# Altium PCB roach2.PcbDoc (part 15 of 39) (continued)
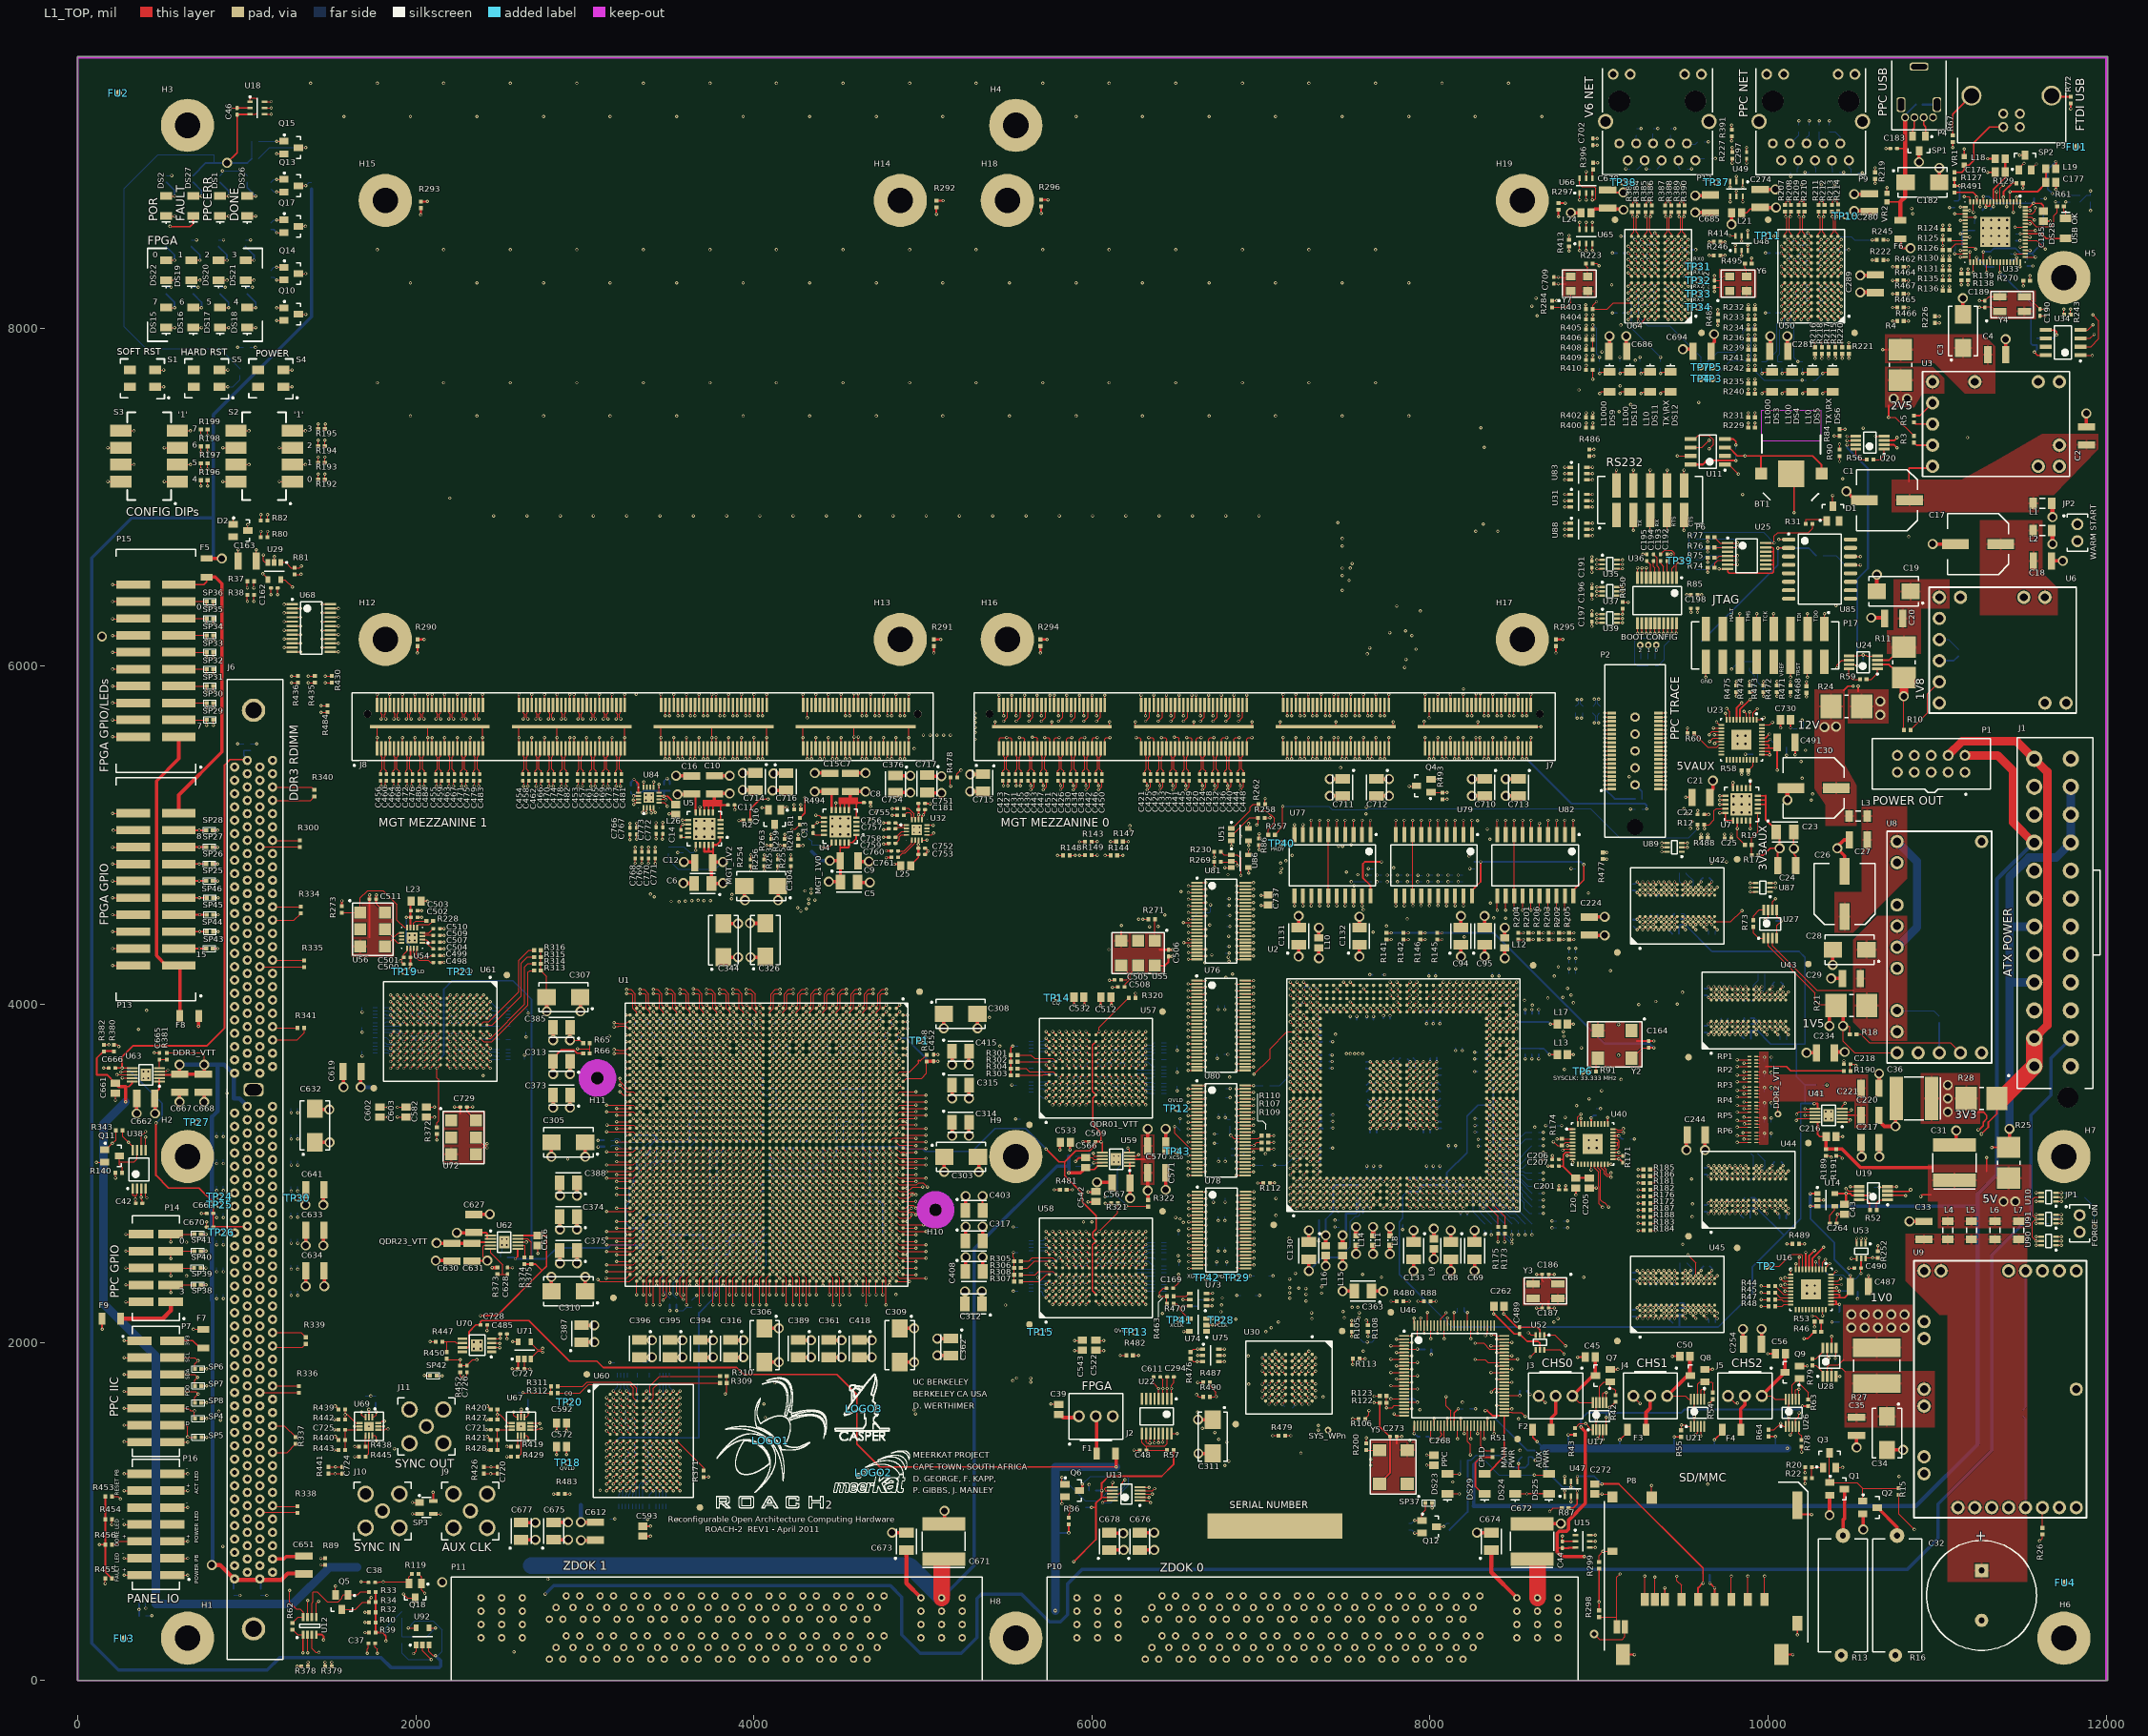
[diagram p0: L1_TOP view]
## Nets (pads, with @x,y where several pads share a name; then routed paths per layer and width w, separated by ;. In a path a pad name is that pad's centre, name@x,y a point inside that pad or via, vN(x,y) a via of type N, cw(c..) or ccw(c..) an arc to the next point about the centre after c; other vN are vias at no path point) (continued)
DDR3.DQS_N6: J6.102 U1.AT39 | length 3940.5
  L1_TOP w5: v1(3483.35,2459.09) U1.AT39@3503.04,2478.78
  L3_S w3.8: J6.102@928.19,1309.13 934.1,1315.04 1025.36,1315.04 1064.73,1354.41 1099.37,1354.41 1138.79,1314.99 1189.96,1314.99 1499.29,1624.32 1499.29,1632.81 1789.48,1922.99 2520.19,1922.99 ; v1(3483.35,2459.09) 3459.58,2435.32 3459.58,2402.38 3455,2397.8 3450.4,2397.8 3441.19,2388.59 3441.19,2303.19 3406.71,2268.71 3406.71,2247.03 3389.01,2229.34 3389.01,2216.41 3400.9,2204.52 3400.9,2188.99 3134.9,1922.99 2731.39,1922.99 ; 2520.19,1922.99 ccw(c2520.19,1927.89) 2525.09,1927.89 ; 2520.19,1922.99 ccw(c2520.19,1927.89) 2525.09,1927.89 ; 2525.09,1927.89 2525.09,1950.29 ; 2525.09,1950.29 cw(c2537.79,1950.29) 2550.49,1950.29 ; 2525.09,1950.29 cw(c2537.79,1950.29) 2550.49,1950.29 ; 2550.49,1927.89 ccw(c2555.39,1927.89) 2560.29,1927.89 ; 2550.49,1927.89 ccw(c2555.39,1927.89) 2560.29,1927.89 ; 2550.49,1927.89 2550.49,1950.29 ; 2560.29,1927.89 2560.29,1950.29 ; 2560.29,1950.29 cw(c2572.99,1950.29) 2585.69,1950.29 ; 2560.29,1950.29 cw(c2572.99,1950.29) 2585.69,1950.29 ; 2585.69,1927.89 ccw(c2590.59,1927.89) 2595.49,1927.89 ; 2585.69,1927.89 ccw(c2590.59,1927.89) 2595.49,1927.89 ; 2585.69,1927.89 2585.69,1950.29 ; 2595.49,1927.89 2595.49,1950.29 ; 2595.49,1950.29 cw(c2608.19,1950.29) 2620.89,1950.29 ; 2595.49,1950.29 cw(c2608.19,1950.29) 2620.89,1950.29 ; 2620.89,1927.89 ccw(c2625.79,1927.89) 2630.69,1927.89 ; 2620.89,1927.89 ccw(c2625.79,1927.89) 2630.69,1927.89 ; 2620.89,1927.89 2620.89,1950.29 ; 2630.69,1927.89 2630.69,1950.29 ; 2630.69,1950.29 cw(c2643.39,1950.29) 2656.09,1950.29 ; 2630.69,1950.29 cw(c2643.39,1950.29) 2656.09,1950.29 ; 2656.09,1927.89 ccw(c2660.99,1927.89) 2665.89,1927.89 ; 2656.09,1927.89 ccw(c2660.99,1927.89) 2665.89,1927.89 ; 2656.09,1927.89 2656.09,1950.29 ; 2665.89,1927.89 2665.89,1950.29 ; 2665.89,1950.29 cw(c2678.59,1950.29) 2691.29,1950.29 ; 2665.89,1950.29 cw(c2678.59,1950.29) 2691.29,1950.29 ; 2691.29,1927.89 ccw(c2696.19,1927.89) 2701.09,1927.89 ; 2691.29,1927.89 ccw(c2696.19,1927.89) 2701.09,1927.89 ; 2691.29,1927.89 2691.29,1950.29 ; 2701.09,1927.89 2701.09,1950.29 ; 2701.09,1950.29 cw(c2713.79,1950.29) 2726.49,1950.29 ; 2701.09,1950.29 cw(c2713.79,1950.29) 2726.49,1950.29 ; 2726.49,1927.89 ccw(c2731.39,1927.89) 2731.39,1922.99 ; 2726.49,1927.89 ccw(c2731.39,1927.89) 2731.39,1922.99 ; 2726.49,1927.89 2726.49,1950.29
DDR3.DQS_N7: J6.111 U1.AU41 | length 3878.3
  L1_TOP w5: v2(3443.98,2222.87) 3443.98,2380.35 U1.AU41@3463.67,2400.04
  L9_R w3.8: J6.111@1002.99,954.8 1002.99,952.99 976.99,926.99 970.99,926.99 962.99,934.99 962.99,966.99 988.28,992.28 1018.67,992.28 1058.04,952.91 1090.04,952.91 1129.76,913.19 1287.39,913.19 ; v2(3443.98,2222.87) 3428.2,2207.09 3428.2,2097.17 3352.22,2021.19 3237.19,2021.19 2753.19,1537.19 2609.19,1537.19 2478.99,1406.99 2478.99,1345.76 2434.42,1301.19 1807.19,1301.19 1419.19,913.19 1392.99,913.19 ; 1287.39,913.19 cw(c1287.39,908.29) 1292.29,908.29 ; 1287.39,913.19 cw(c1287.39,908.29) 1292.29,908.29 ; 1292.29,897.18 ccw(c1304.99,897.18) 1317.69,897.18 ; 1292.29,897.18 ccw(c1304.99,897.18) 1317.69,897.18 ; 1292.29,897.18 1292.29,908.29 ; 1317.69,897.18 1317.69,944.6 ; 1317.69,944.6 cw(c1322.59,944.6) 1327.49,944.6 ; 1317.69,944.6 cw(c1322.59,944.6) 1327.49,944.6 ; 1327.49,897.18 ccw(c1340.19,897.18) 1352.89,897.18 ; 1327.49,897.18 ccw(c1340.19,897.18) 1352.89,897.18 ; 1327.49,897.18 1327.49,944.6 ; 1352.89,897.18 1352.89,944.6 ; 1352.89,944.6 cw(c1357.79,944.6) 1362.69,944.6 ; 1352.89,944.6 cw(c1357.79,944.6) 1362.69,944.6 ; 1362.69,897.18 ccw(c1375.39,897.18) 1388.09,897.18 ; 1362.69,897.18 ccw(c1375.39,897.18) 1388.09,897.18 ; 1362.69,897.18 1362.69,944.6 ; 1388.09,897.18 1388.09,908.29 ; 1388.09,908.29 cw(c1392.99,908.29) 1392.99,913.19 ; 1388.09,908.29 cw(c1392.99,908.29) 1392.99,913.19
DDR3.DQS_N8: J6.42 U1.AN31 | length 3602.6
  L1_TOP w5: v1(3601.46,2774.05) U1.AN31@3621.15,2793.74
  L9_R w3.8: J6.42@928.19,3828.82 953.19,3803.81 953.19,3773.76 981.76,3745.19 1023.19,3745.19 1065.56,3787.56 1093.39,3787.56 1133.96,3746.99 1225.19,3746.99 1259.11,3713.07 cw(c1254.05,3708.01) 1259.11,3702.94 ccw(c1264.63,3697.42) 1259.11,3691.9 ccw(c1264.63,3697.42) 1270.15,3691.9 cw(c1275.22,3686.83) 1280.28,3691.9 1281.19,3690.99 cw(c1276.12,3685.93) 1281.19,3680.86 ccw(c1286.71,3675.34) 1281.19,3669.82 ccw(c1286.71,3675.34) 1292.23,3669.82 cw(c1297.29,3664.76) 1302.36,3669.82 1303.27,3668.92 cw(c1298.2,3663.85) 1303.27,3658.78 ccw(c1308.79,3653.27) 1303.27,3647.75 ccw(c1308.79,3653.27) 1314.31,3647.75 cw(c1319.37,3642.68) 1324.44,3647.75 1325.34,3646.84 cw(c1320.28,3641.77) 1325.34,3636.71 ccw(c1330.86,3631.19) 1325.34,3625.67 ccw(c1330.86,3631.19) 1336.38,3625.67 cw(c1341.45,3620.6) 1346.52,3625.67 1347.42,3624.76 cw(c1342.36,3619.7) 1347.42,3614.63 ccw(c1352.94,3609.11) 1347.42,3603.59 ccw(c1352.94,3609.11) 1358.46,3603.59 cw(c1363.53,3598.53) 1368.59,3603.59 1369.05,3603.14 1387.19,3584.99 1387.19,3368.79 1458.99,3296.99 1551.96,3296.99 2047.96,2800.99 2459.96,2800.99 2511.86,2749.09 2954.85,2749.09 2955.5,2748.45 3210.25,2748.45 3210.89,2749.09 3221.21,2738.77 3249.6,2738.77 3261.48,2750.65 3493.04,2750.65 3506.75,2764.36 3506.75,2819.52 3516.26,2829.02 3568.56,2829.02 3577.69,2819.89 3577.69,2804.1 3563.25,2789.65 3555.63,2789.65 3546.49,2780.52 3546.49,2767.59 3555.63,2758.45 3585.86,2758.45 v1(3601.46,2774.05)
DDR3.DQS_P0: J6.7 U1.AK27 | length 4750
  L1_TOP w5: v1(3719.57,2931.53) U1.AK27@3739.26,2951.22
  L3_S w3.8: J6.7@1002.99,5206.77 1005.01,5208.79 1102.22,5208.79 1141.72,5169.29 1217.72,5169.29 1662.99,4724.02 1662.99,3676.79 1848.99,3490.79 1909.19,3490.79 1979.6,3420.38 ccw(c1985.12,3425.9) 1990.64,3420.38 2006.34,3436.08 cw(c2011.86,3430.56) 2017.38,3436.08 cw(c2011.86,3430.56) 2017.38,3425.04 2001.68,3409.34 ccw(c2007.2,3403.82) 2001.68,3398.3 ccw(c2007.2,3403.82) 2012.72,3398.3 2028.42,3414 cw(c2033.94,3408.48) 2039.45,3414 cw(c2033.94,3408.48) 2039.45,3402.96 2023.76,3387.27 ccw(c2029.28,3381.75) 2023.76,3376.23 ccw(c2029.28,3381.75) 2034.8,3376.23 2050.49,3391.92 cw(c2056.01,3386.41) 2061.53,3391.92 cw(c2056.01,3386.41) 2061.53,3380.89 2045.83,3365.19 ccw(c2051.35,3359.67) 2045.83,3354.15 ccw(c2051.35,3359.67) 2056.87,3354.15 2072.57,3369.85 cw(c2078.09,3364.33) 2083.61,3369.85 cw(c2078.09,3364.33) 2083.61,3358.81 2067.91,3343.11 ccw(c2073.43,3337.59) 2067.91,3332.07 2108.49,3291.49 2167.19,3232.79 2248.99,3232.79 2267.2,3251 2405.03,3251 2423.24,3232.79 2424.99,3232.79 3075.19,3232.79 3108.99,3198.99 3108.99,3182.99 3159.88,3132.1 3219.88,3132.1 3278.94,3073.04 3611.16,3073.04 3624.86,3059.34 3624.86,3035.99 3626.99,3033.86 3730.86,3033.86 3743.71,3021.01 3743.71,3008.2 3774.54,2977.37 3774.54,2925.07 3765.41,2915.93 3752.48,2915.93 3736.88,2931.53 v1(3719.57,2931.53)
DDR3.DQS_P1: J6.16 U1.AU28 | length 4328
  L1_TOP w5: v1(3443.98,2892.16) U1.AU28@3463.67,2911.85
  L5_S w3.8: J6.16@928.19,4852.44 932.74,4856.99 972.99,4856.99 982.99,4846.99 1024.89,4846.99 1060.71,4811.18 1094.89,4811.18 1130.7,4846.99 1288.99,4846.99 1314.99,4820.99 1397.2,4738.78 cw(c1391.68,4733.26) 1397.2,4727.74 1394.37,4724.91 ccw(c1399.89,4719.39) 1394.37,4713.87 ccw(c1399.89,4719.39) 1405.41,4713.87 1408.24,4716.7 cw(c1413.76,4711.18) 1419.28,4716.7 cw(c1413.76,4711.18) 1419.28,4705.66 1416.45,4702.83 ccw(c1421.97,4697.32) 1416.45,4691.8 ccw(c1421.97,4697.32) 1427.49,4691.8 1430.32,4694.63 cw(c1435.84,4689.11) 1441.36,4694.63 cw(c1435.84,4689.11) 1441.36,4683.59 1438.53,4680.76 ccw(c1444.05,4675.24) 1438.53,4669.72 ccw(c1444.05,4675.24) 1449.57,4669.72 1452.4,4672.55 cw(c1457.92,4667.03) 1463.44,4672.55 1467.19,4668.79 1467.19,4436.19 ; v1(3443.98,2892.16) 3422.82,2871 3397,2871 3387,2881 3387,2895 3374.24,2907.76 3206.05,2907.76 3194.54,2896.25 3181.62,2896.25 3170.1,2907.76 2301.19,2907.76 1927.96,3280.99 1735.96,3280.99 1467.19,3549.76 1467.19,4383.39 ; 1448.79,4392.19 cw(c1453.19,4392.19) 1453.19,4396.59 ; 1448.79,4392.19 ccw(c1453.19,4392.19) 1453.19,4387.79 ; 1448.79,4392.19 ccw(c1453.19,4392.19) 1453.19,4387.79 ; 1448.79,4392.19 cw(c1453.19,4392.19) 1453.19,4396.59 ; 1448.79,4409.79 ccw(c1453.19,4409.79) 1453.19,4405.39 ; 1448.79,4409.79 cw(c1453.19,4409.79) 1453.19,4414.19 ; 1448.79,4409.79 ccw(c1453.19,4409.79) 1453.19,4405.39 ; 1448.79,4409.79 cw(c1453.19,4409.79) 1453.19,4414.19 ; 1448.79,4427.39 ccw(c1453.19,4427.39) 1453.19,4422.99 ; 1448.79,4427.39 cw(c1453.19,4427.39) 1453.19,4431.79 ; 1448.79,4427.39 ccw(c1453.19,4427.39) 1453.19,4422.99 ; 1448.79,4427.39 cw(c1453.19,4427.39) 1453.19,4431.79 ; 1453.19,4387.79 1462.79,4387.79 ; 1453.19,4396.59 1462.79,4396.59 ; 1453.19,4405.39 1462.79,4405.39 ; 1453.19,4414.19 1462.79,4414.19 ; 1453.19,4422.99 1462.79,4422.99 ; 1453.19,4431.79 1462.79,4431.79 ; 1462.79,4387.79 cw(c1462.79,4383.39) 1467.19,4383.39 ; 1462.79,4387.79 cw(c1462.79,4383.39) 1467.19,4383.39 ; 1462.79,4396.59 ccw(c1462.79,4400.99) 1467.19,4400.99 ; 1462.79,4396.59 ccw(c1462.79,4400.99) 1467.19,4400.99 ; 1462.79,4405.39 cw(c1462.79,4400.99) 1467.19,4400.99 ; 1462.79,4405.39 cw(c1462.79,4400.99) 1467.19,4400.99 ; 1462.79,4414.19 ccw(c1462.79,4418.59) 1467.19,4418.59 ; 1462.79,4414.19 ccw(c1462.79,4418.59) 1467.19,4418.59 ; 1462.79,4422.99 cw(c1462.79,4418.59) 1467.19,4418.59 ; 1462.79,4422.99 cw(c1462.79,4418.59) 1467.19,4418.59 ; 1462.79,4431.79 ccw(c1462.79,4436.19) 1467.19,4436.19 ; 1462.79,4431.79 ccw(c1462.79,4436.19) 1467.19,4436.19
DDR3.DQS_P2: J6.25 U1.AR27 | length 4060
  L1_TOP w5: v1(3522.72,2931.53) U1.AR27@3542.41,2951.22
  L3_S w3.8: J6.25@1002.99,4498.11 1002.99,4530.99 1007.59,4535.59 1021.36,4535.59 1036.54,4520.42 1060.71,4496.22 1098.22,4496.22 1134.99,4532.99 1217.96,4532.99 1397.19,4353.76 1397.19,3923 1397.19,3915.19 1397.19,3907.39 cw(c1389.39,3907.39) 1389.39,3899.58 1375.67,3899.58 ccw(c1375.67,3891.78) 1367.87,3891.78 ccw(c1375.67,3891.78) 1375.67,3883.97 1389.39,3883.97 cw(c1389.39,3876.17) 1397.19,3876.17 cw(c1389.39,3876.17) 1389.39,3868.36 1375.67,3868.36 ccw(c1375.67,3860.56) 1367.87,3860.56 ccw(c1375.67,3860.56) 1375.67,3852.75 1389.39,3852.75 cw(c1389.39,3844.95) 1397.19,3844.95 cw(c1389.39,3844.95) 1389.39,3837.14 1375.67,3837.14 ccw(c1375.67,3829.33) 1367.87,3829.33 ccw(c1375.67,3829.33) 1375.67,3821.53 1389.39,3821.53 cw(c1389.39,3813.72) 1397.19,3813.72 cw(c1389.39,3813.72) 1389.39,3805.92 1375.67,3805.92 ccw(c1375.67,3798.11) 1367.87,3798.11 ccw(c1375.67,3798.11) 1375.67,3790.31 1389.39,3790.31 cw(c1389.39,3782.5) 1397.19,3782.5 1397.19,3781.39 1397.19,3595.76 2035.76,2957.19 2988.79,2957.19 3116.59,2829.39 3193.39,2829.39 3216.99,2852.99 3246.01,2852.99 3269.61,2829.39 3493.04,2829.39 3506.94,2843.29 3506.94,2915.75 v1(3522.72,2931.53)
  L14_S w3.8: J6.25@991.87,4498.11 J6.25@1002.99,4498.11
DDR3.DQS_P3: J6.34 U1.AY29 | length 3600
  L1_TOP w5: v1(3325.87,2852.79) U1.AY29@3345.56,2872.48
  L14_S w3.8: J6.34@928.19,4143.78 972.2,4143.78 978.11,4137.87 1021.08,4137.87 1056.43,4102.52 1103.39,4102.52 1138.74,4137.87 1306.11,4137.87 1619.19,3824.79 1619.19,3692 1619.19,3684.19 1619.19,3676.39 cw(c1611.39,3676.39) 1611.39,3668.58 1556.44,3668.58 ccw(c1556.44,3660.78) 1548.64,3660.78 ccw(c1556.44,3660.78) 1556.44,3652.97 1611.39,3652.97 cw(c1611.39,3645.17) 1619.19,3645.17 cw(c1611.39,3645.17) 1611.39,3637.36 1556.44,3637.36 ccw(c1556.44,3629.56) 1548.64,3629.56 ccw(c1556.44,3629.56) 1556.44,3621.75 1611.39,3621.75 cw(c1611.39,3613.95) 1619.19,3613.95 1619.19,3519 1619.19,3240.79 1946.51,2913.48 3019.48,2913.48 3044.87,2888.08 3229.16,2888.08 3280.04,2837.19 3292.97,2837.19 3308.57,2852.79 v1(3325.87,2852.79)
DDR3.DQS_P4: J6.85 U1.AN33 | length 3600
  L1_TOP w5: v1(3601.46,2695.31) U1.AN33@3621.15,2715
  L14_S w3.8: J6.85@1002.99,1978.43 995.56,1978.43 972.99,2000.99 972.99,2008.99 979.91,2015.91 1028.59,2015.91 1063.94,2051.26 1091.26,2051.26 1133.19,2093.19 1225.19,2093.19 1397.19,2265.19 1754,2265.19 1761.81,2265.19 1769.61,2265.19 cw(c1769.61,2257.39) 1777.42,2257.39 1777.42,2234.63 ccw(c1785.22,2234.63) 1785.22,2226.83 ccw(c1785.22,2234.63) 1793.03,2234.63 1793.03,2257.39 cw(c1800.83,2257.39) 1800.83,2265.19 cw(c1800.83,2257.39) 1808.64,2257.39 1808.64,2234.63 ccw(c1816.44,2234.63) 1816.44,2226.83 ccw(c1816.44,2234.63) 1824.25,2234.63 1824.25,2257.39 cw(c1832.05,2257.39) 1832.05,2265.19 cw(c1832.05,2257.39) 1839.86,2257.39 1839.86,2234.63 ccw(c1847.67,2234.63) 1847.67,2226.83 ccw(c1847.67,2234.63) 1855.47,2234.63 1855.47,2257.39 cw(c1863.28,2257.39) 1863.28,2265.19 2032,2265.19 2528.22,2265.19 2562.2,2299.17 ccw(c2553.57,2307.8) 2565.77,2307.8 ccw(c2553.57,2307.8) 2562.21,2316.42 2548.41,2330.21 cw(c2551.53,2333.32) 2554.64,2336.43 2568.42,2322.65 ccw(c2577.05,2331.27) 2589.25,2331.27 ccw(c2577.05,2331.27) 2585.68,2339.89 2571.89,2353.69 cw(c2575,2356.8) 2578.11,2359.91 2591.89,2346.13 ccw(c2600.53,2354.75) 2609.15,2346.12 ccw(c2600.53,2354.75) 2612.73,2354.75 ccw(c2600.53,2354.75) 2609.16,2363.37 2595.37,2377.16 cw(c2598.48,2380.27) 2601.59,2383.39 2615.38,2369.6 ccw(c2624,2378.23) 2636.2,2378.23 ccw(c2624,2378.23) 2632.64,2386.85 2618.84,2400.64 cw(c2621.95,2403.75) 2625.06,2406.86 ; 2625.07,2406.85 2638.84,2393.08 ccw(c2647.48,2401.7) 2656.11,2393.07 ccw(c2647.48,2401.7) 2659.68,2401.7 ccw(c2647.48,2401.7) 2656.11,2410.32 2642.32,2424.11 ; 2672.02,2453.81 ccw(c2668.91,2450.7) 2665.79,2447.59 2679.58,2433.8 cw(c2670.95,2425.18) 2683.15,2425.18 ; 2672.03,2453.8 2685.79,2440.04 ccw(c2694.43,2448.65) 2703.05,2440.02 2708.92,2445.89 ; 2708.93,2445.9 2823.02,2559.99 2938.07,2559.99 3049.99,2671.91 3169.73,2671.91 3181.62,2660.03 3194.54,2660.03 3206.42,2671.91 3453.67,2671.91 3467.38,2685.62 3467.38,2701.41 3476.89,2710.91 3585.86,2710.91 v1(3601.46,2695.31) ; 2642.32,2424.12 cw(c2645.43,2427.23) 2648.54,2430.34 ; 2642.32,2424.12 cw(c2645.43,2427.23) 2648.54,2430.34 ; 2648.54,2430.34 2662.33,2416.54 ; 2662.33,2416.54 ccw(c2670.95,2425.18) 2683.15,2425.18 ; 2662.33,2416.54 ccw(c2670.95,2425.18) 2683.15,2425.18
DDR3.DQS_P5: J6.94 U1.AK35 | length 3660
  L1_TOP w5: v1(3719.57,2616.57) U1.AK35@3739.26,2636.26
  L9_R w3.8: J6.94@928.19,1624.09 928.19,1655.22 979.76,1706.79 1025.19,1706.79 1063.19,1668.79 1093.19,1668.79 1132.99,1628.99 1232.96,1628.99 1383.98,1780.02 1528.48,1924.51 ccw(c1522.96,1930.03) 1528.48,1935.55 1517.58,1946.45 cw(c1523.1,1951.97) 1517.58,1957.49 cw(c1523.1,1951.97) 1528.62,1957.49 1539.52,1946.59 ccw(c1545.04,1952.11) 1550.56,1946.59 ccw(c1545.04,1952.11) 1550.56,1957.63 1539.66,1968.53 cw(c1545.18,1974.05) 1539.66,1979.57 cw(c1545.18,1974.05) 1550.7,1979.57 1561.6,1968.67 ccw(c1567.12,1974.19) 1572.64,1968.67 ccw(c1567.12,1974.19) 1572.64,1979.71 1561.74,1990.61 cw(c1567.26,1996.12) 1561.74,2001.64 cw(c1567.26,1996.12) 1572.78,2001.64 1583.68,1990.74 ccw(c1589.19,1996.26) 1594.71,1990.74 ccw(c1589.19,1996.26) 1594.71,2001.78 1583.82,2012.68 cw(c1589.33,2018.2) 1583.82,2023.72 cw(c1589.33,2018.2) 1594.85,2023.72 1605.75,2012.82 ccw(c1611.27,2018.34) 1616.79,2012.82 ccw(c1611.27,2018.34) 1616.79,2023.86 1605.89,2034.76 cw(c1611.41,2040.28) 1605.89,2045.8 cw(c1611.41,2040.28) 1616.93,2045.8 1627.83,2034.9 ccw(c1633.35,2040.42) 1638.87,2034.9 ccw(c1633.35,2040.42) 1638.87,2045.94 1627.97,2056.84 cw(c1633.49,2062.36) 1627.97,2067.88 cw(c1633.49,2062.36) 1639.01,2067.88 1649.91,2056.98 ccw(c1655.43,2062.5) 1660.95,2056.98 1666.47,2062.5 1671.98,2068.02 1776.96,2172.99 2364.9,2172.99 2373.3,2181.39 2392.68,2181.39 2400.48,2173.59 2971.59,2173.59 3217.19,2419.19 3217.19,2502.22 3315.94,2600.97 3703.97,2600.97 v1(3719.57,2616.57)
DDR3.DQS_P6: J6.103 U1.AR39 | length 3932.2
  L1_TOP w5: v1(3522.72,2459.09) U1.AR39@3542.41,2478.78
  L3_S w3.8: J6.103@1002.99,1269.76 1002.99,1303.24 1006.99,1307.24 1028.59,1307.24 1067.96,1346.61 1096.14,1346.61 1135.56,1307.19 1193.19,1307.19 1507.09,1621.09 1507.09,1629.58 1792.71,1915.19 2520.19,1915.19 ; v1(3522.72,2459.09) 3498.95,2435.32 3476.89,2435.32 3467.38,2425.81 3467.38,2399.15 3458.23,2390 3453.63,2390 3448.99,2385.36 3448.99,2299.96 3414.51,2265.48 3414.51,2235.04 3420.21,2229.34 3420.21,2216.41 3408.7,2204.9 3408.7,2185.76 3138.13,1915.19 2731.39,1915.19 ; 2520.19,1915.19 ccw(c2520.19,1927.89) 2532.89,1927.89 ; 2520.19,1915.19 ccw(c2520.19,1927.89) 2532.89,1927.89 ; 2532.89,1927.89 2532.89,1950.29 ; 2532.89,1950.29 cw(c2537.79,1950.29) 2542.69,1950.29 ; 2532.89,1950.29 cw(c2537.79,1950.29) 2542.69,1950.29 ; 2542.69,1927.89 ccw(c2555.39,1927.89) 2568.09,1927.89 ; 2542.69,1927.89 ccw(c2555.39,1927.89) 2568.09,1927.89 ; 2542.69,1927.89 2542.69,1950.29 ; 2568.09,1927.89 2568.09,1950.29 ; 2568.09,1950.29 cw(c2572.99,1950.29) 2577.89,1950.29 ; 2568.09,1950.29 cw(c2572.99,1950.29) 2577.89,1950.29 ; 2577.89,1927.89 ccw(c2590.59,1927.89) 2603.29,1927.89 ; 2577.89,1927.89 ccw(c2590.59,1927.89) 2603.29,1927.89 ; 2577.89,1927.89 2577.89,1950.29 ; 2603.29,1927.89 2603.29,1950.29 ; 2603.29,1950.29 cw(c2608.19,1950.29) 2613.09,1950.29 ; 2603.29,1950.29 cw(c2608.19,1950.29) 2613.09,1950.29 ; 2613.09,1927.89 ccw(c2625.79,1927.89) 2638.49,1927.89 ; 2613.09,1927.89 ccw(c2625.79,1927.89) 2638.49,1927.89 ; 2613.09,1927.89 2613.09,1950.29 ; 2638.49,1927.89 2638.49,1950.29 ; 2638.49,1950.29 cw(c2643.39,1950.29) 2648.29,1950.29 ; 2638.49,1950.29 cw(c2643.39,1950.29) 2648.29,1950.29 ; 2648.29,1927.89 ccw(c2660.99,1927.89) 2673.69,1927.89 ; 2648.29,1927.89 ccw(c2660.99,1927.89) 2673.69,1927.89 ; 2648.29,1927.89 2648.29,1950.29 ; 2673.69,1927.89 2673.69,1950.29 ; 2673.69,1950.29 cw(c2678.59,1950.29) 2683.49,1950.29 ; 2673.69,1950.29 cw(c2678.59,1950.29) 2683.49,1950.29 ; 2683.49,1927.89 ccw(c2696.19,1927.89) 2708.89,1927.89 ; 2683.49,1927.89 ccw(c2696.19,1927.89) 2708.89,1927.89 ; 2683.49,1927.89 2683.49,1950.29 ; 2708.89,1927.89 2708.89,1950.29 ; 2708.89,1950.29 cw(c2713.79,1950.29) 2718.69,1950.29 ; 2708.89,1950.29 cw(c2713.79,1950.29) 2718.69,1950.29 ; 2718.69,1927.89 ccw(c2731.39,1927.89) 2731.39,1915.19 ; 2718.69,1927.89 ccw(c2731.39,1927.89) 2731.39,1915.19 ; 2718.69,1927.89 2718.69,1950.29
DDR3.DQS_P7: J6.112 U1.AV41 | length 3909
  L1_TOP w5: v2(3404.61,2222.87) 3404.61,2380.35 U1.AV41@3424.3,2400.04
  L9_R w3.8: J6.112@928.19,915.43 928.86,915.43 955.19,941.76 955.19,970.22 985.05,1000.08 1021.9,1000.08 1061.27,960.71 1093.27,960.71 1132.99,920.99 1287.39,920.99 ; v2(3404.61,2222.87) 3420.4,2207.09 3420.4,2100.4 3348.99,2028.99 3232.99,2028.99 2748.99,1544.99 2605.96,1544.99 2471.19,1410.22 2471.19,1348.99 2431.19,1308.99 2383.19,1308.99 ; 1287.39,920.99 cw(c1287.39,908.29) 1300.09,908.29 ; 1287.39,920.99 cw(c1287.39,908.29) 1300.09,908.29 ; 1300.09,897.18 ccw(c1304.99,897.18) 1309.89,897.18 ; 1300.09,897.18 ccw(c1304.99,897.18) 1309.89,897.18 ; 1300.09,897.18 1300.09,908.29 ; 1309.89,897.18 1309.89,944.6 ; 1309.89,944.6 cw(c1322.59,944.6) 1335.29,944.6 ; 1309.89,944.6 cw(c1322.59,944.6) 1335.29,944.6 ; 1335.29,897.18 ccw(c1340.19,897.18) 1345.09,897.18 ; 1335.29,897.18 ccw(c1340.19,897.18) 1345.09,897.18 ; 1335.29,897.18 1335.29,944.6 ; 1345.09,897.18 1345.09,944.6 ; 1345.09,944.6 cw(c1357.79,944.6) 1370.49,944.6 ; 1345.09,944.6 cw(c1357.79,944.6) 1370.49,944.6 ; 1370.49,897.18 ccw(c1375.39,897.18) 1380.29,897.18 ; 1370.49,897.18 ccw(c1375.39,897.18) 1380.29,897.18 ; 1370.49,897.18 1370.49,944.6 ; 1380.29,897.18 1380.29,908.29 ; 1380.29,908.29 cw(c1392.99,908.29) 1392.99,920.99 ; 1380.29,908.29 cw(c1392.99,908.29) 1392.99,920.99 ; 1392.99,920.99 1415.96,920.99 1803.96,1308.99 2363.59,1308.99 ; 2363.59,1308.99 ccw(c2363.59,1313.89) 2368.49,1313.89 ; 2363.59,1308.99 ccw(c2363.59,1313.89) 2368.49,1313.89 ; 2368.49,1313.89 2368.49,1320.68 ; 2368.49,1320.68 cw(c2373.39,1320.68) 2373.39,1325.58 ; 2368.49,1320.68 cw(c2373.39,1320.68) 2373.39,1325.58 ; 2373.39,1325.58 cw(c2373.39,1320.68) 2378.29,1320.68 ; 2373.39,1325.58 cw(c2373.39,1320.68) 2378.29,1320.68 ; 2378.29,1313.89 ccw(c2383.19,1313.89) 2383.19,1308.99 ; 2378.29,1313.89 ccw(c2383.19,1313.89) 2383.19,1308.99 ; 2378.29,1313.89 2378.29,1320.68
DDR3.DQS_P8: J6.43 U1.AP31 | length 3600
  L1_TOP w5: v1(3562.09,2774.05) U1.AP31@3581.78,2793.74
  L9_R w3.8: J6.43@1002.99,3789.45 997.45,3794.99 972.99,3794.99 964.99,3786.99 964.99,3772.99 984.99,3752.99 1019.96,3752.99 1062.33,3795.36 1096.63,3795.36 1137.19,3754.79 1228.42,3754.79 1394.99,3588.22 1394.99,3372.02 1462.22,3304.79 1555.19,3304.79 1606.55,3253.43 ccw(c1612.07,3258.95) 1617.59,3253.43 1618.87,3254.7 cw(c1624.39,3249.19) 1629.91,3254.7 cw(c1624.39,3249.19) 1629.91,3243.67 1628.63,3242.39 ccw(c1634.15,3236.87) 1628.63,3231.35 ccw(c1634.15,3236.87) 1639.67,3231.35 1640.95,3232.63 cw(c1646.46,3227.11) 1651.98,3232.63 cw(c1646.46,3227.11) 1651.98,3221.59 1650.71,3220.31 ccw(c1656.23,3214.79) 1650.71,3209.28 ccw(c1656.23,3214.79) 1661.75,3209.28 1663.02,3210.55 cw(c1668.54,3205.03) 1674.06,3210.55 cw(c1668.54,3205.03) 1674.06,3199.51 1672.79,3198.24 ccw(c1678.31,3192.72) 1672.79,3187.2 ccw(c1678.31,3192.72) 1683.82,3187.2 1685.1,3188.47 cw(c1690.62,3182.95) 1696.14,3188.47 cw(c1690.62,3182.95) 1696.14,3177.43 1694.86,3176.16 ccw(c1700.38,3170.64) 1694.86,3165.12 ccw(c1700.38,3170.64) 1705.9,3165.12 1707.18,3166.4 cw(c1712.7,3160.88) 1718.22,3166.4 cw(c1712.7,3160.88) 1718.22,3155.36 1716.94,3154.08 ccw(c1722.46,3148.56) 1716.94,3143.04 ccw(c1722.46,3148.56) 1727.98,3143.04 1729.25,3144.32 cw(c1734.77,3138.8) 1740.29,3144.32 cw(c1734.77,3138.8) 1740.29,3133.28 1739.02,3132 ccw(c1744.54,3126.49) 1739.02,3120.97 ccw(c1744.54,3126.49) 1750.06,3120.97 1751.33,3122.24 cw(c1756.85,3116.72) 1762.37,3122.24 cw(c1756.85,3116.72) 1762.37,3111.2 1761.1,3109.93 ccw(c1766.61,3104.41) 1761.1,3098.89 ccw(c1766.61,3104.41) 1772.13,3098.89 1773.41,3100.16 cw(c1778.93,3094.64) 1784.45,3100.16 cw(c1778.93,3094.64) 1784.45,3089.12 1783.17,3087.85 ccw(c1788.69,3082.33) 1783.17,3076.81 1800.49,3059.49 2051.19,2808.79 2463.19,2808.79 2515.09,2756.89 3206.89,2756.89 3219.97,2769.97 3249.6,2769.97 3261.11,2758.45 3489.81,2758.45 3498.95,2767.59 3498.95,2822.75 3513.4,2837.19 3571.42,2837.19 3585.86,2822.75 3585.86,2797.82 v1(3562.09,2774.05)
DDR3.ODT0: J6.195 U1.AU36 | length 3145.5
  L1_TOP w5: v1(3443.98,2577.2) U1.AU36@3463.67,2596.89
  L12_S w3.8: J6.195@1152.6,2372.13 1161.86,2372.13 1232.99,2300.99 1248,2300.99 ccw(c1248,2308.8) 1255.81,2308.8 1255.81,2352.82 cw(c1263.61,2352.82) 1263.61,2360.62 cw(c1263.61,2352.82) 1271.42,2352.82 1271.42,2300.99 1271.42,2295.15 ccw(c1279.22,2295.15) 1279.22,2287.34 ccw(c1279.22,2295.15) 1287.03,2295.15 cw(c1292.87,2295.15) 1292.87,2300.99 1302.64,2300.99 1304.99,2300.99 1326.99,2278.99 1334.8,2278.99 ; 1328,2278.99 1634,2278.99 1635.41,2278.99 ccw(c1635.41,2285.39) 1641.81,2285.39 cw(c1649.61,2285.39) 1649.61,2293.19 cw(c1649.61,2285.39) 1657.42,2285.39 1657.42,2278.99 1657.42,2268.83 ccw(c1665.22,2268.83) 1665.22,2261.02 ccw(c1665.22,2268.83) 1673.03,2268.83 1673.03,2278.99 1673.03,2285.16 cw(c1680.83,2285.16) 1680.83,2292.96 cw(c1680.83,2285.16) 1688.64,2285.16 1688.64,2278.99 1688.64,2268.83 ccw(c1696.44,2268.83) 1696.44,2261.02 ccw(c1696.44,2268.83) 1704.25,2268.83 1704.25,2278.99 1704.25,2285.16 cw(c1712.05,2285.16) 1712.05,2292.96 cw(c1712.05,2285.16) 1719.86,2285.16 1719.86,2278.99 1719.86,2268.83 ccw(c1727.67,2268.83) 1727.67,2261.02 ccw(c1727.67,2268.83) 1735.47,2268.83 1735.47,2278.99 1735.47,2285.16 cw(c1743.28,2285.16) 1743.28,2292.96 cw(c1743.28,2285.16) 1751.08,2285.16 1751.08,2278.99 1751.08,2268.83 ccw(c1758.89,2268.83) 1758.89,2261.02 ccw(c1758.89,2268.83) 1766.69,2268.83 1766.69,2278.99 1766.69,2285.16 cw(c1774.5,2285.16) 1774.5,2292.96 cw(c1774.5,2285.16) 1782.3,2285.16 1782.3,2278.99 1782.3,2268.83 ccw(c1790.11,2268.83) 1790.11,2261.02 ccw(c1790.11,2268.83) 1797.92,2268.83 1797.92,2278.99 1797.92,2285.16 cw(c1805.72,2285.16) 1805.72,2292.96 cw(c1805.72,2285.16) 1813.53,2285.16 1813.53,2278.99 1813.53,2268.83 ccw(c1821.33,2268.83) 1821.33,2261.02 ccw(c1821.33,2268.83) 1829.14,2268.83 1829.14,2278.99 1829.14,2285.16 cw(c1836.94,2285.16) 1836.94,2292.96 cw(c1836.94,2285.16) 1844.75,2285.16 1844.75,2278.99 1844.75,2268.83 ccw(c1852.55,2268.83) 1852.55,2261.02 ccw(c1852.55,2268.83) 1860.36,2268.83 1860.36,2278.99 1860.36,2285.16 cw(c1868.16,2285.16) 1868.16,2292.96 cw(c1868.16,2285.16) 1875.97,2285.16 1875.97,2278.99 1875.97,2268.83 ccw(c1883.78,2268.83) 1883.78,2261.02 ccw(c1883.78,2268.83) 1891.58,2268.83 1891.58,2278.99 1891.58,2285.16 cw(c1899.39,2285.16) 1899.39,2292.96 cw(c1899.39,2285.16) 1907.19,2285.16 1907.19,2278.99 1907.19,2268.83 ccw(c1915,2268.83) 1915,2261.02 ccw(c1915,2268.83) 1922.8,2268.83 1922.8,2278.99 1922.8,2285.16 cw(c1930.61,2285.16) 1930.61,2292.96 cw(c1930.61,2285.16) 1938.41,2285.16 ; 1938.41,2285.18 1938.41,2285.37 ; 1938.41,2285.39 ccw(c1944.81,2285.39) 1944.81,2278.99 2045,2278.99 3142.99,2278.99 3307.49,2443.49 3411.07,2443.49 3428.38,2460.8 3428.38,2561.6 v1(3443.98,2577.2)
DDR3.ODT1: J6.77 U1.AV36 | length 3145.5
  L1_TOP w5: v1(3404.61,2577.2) U1.AV36@3424.3,2596.89
  L12_S w3.8: J6.77@1002.99,2293.39 1004.88,2295.28 1103.39,2295.28 1138.74,2259.93 1185.27,2259.93 1230.2,2214.99 1582.99,2214.99 ; 1580.99,2214.99 1582.99,2214.99 ; 1852.25,2208.6 cw(c1858.65,2208.6) 1858.65,2214.99 2131,2214.99 3134.99,2214.99 3315.95,2395.95 3332.33,2395.95 3335.29,2392.99 3480.99,2392.99 3498.95,2410.95 3498.95,2498.99 3499.32,2499.36 3499.32,2525.46 3507.12,2533.26 3507.12,2661.88 3492,2677 3442.98,2677 3428.38,2662.41 3428.38,2600.97 v1(3404.61,2577.2) ; 1852.25,2209.81 1852.25,2210.41 ; 1852.25,2211.62 cw(c1844.44,2211.62) 1844.44,2203.81 cw(c1844.44,2211.62) 1836.64,2211.62 1836.64,2214.99 1836.64,2216.36 ccw(c1828.83,2216.36) 1828.83,2224.17 ccw(c1828.83,2216.36) 1821.03,2216.36 1821.03,2214.99 1821.03,2211.62 cw(c1813.22,2211.62) 1813.22,2203.81 cw(c1813.22,2211.62) 1805.42,2211.62 1805.42,2214.99 1805.42,2219.39 ccw(c1797.61,2219.39) 1797.61,2227.19 ccw(c1797.61,2219.39) 1789.81,2219.39 cw(c1785.41,2219.39) 1785.41,2214.99 1782,2214.99 1582.99,2214.99
  L16_BOT w10: v1@3405.51,2578.74 v1@3407.48,2578.74